# Altium PCB frames_right.PcbDoc (continued)
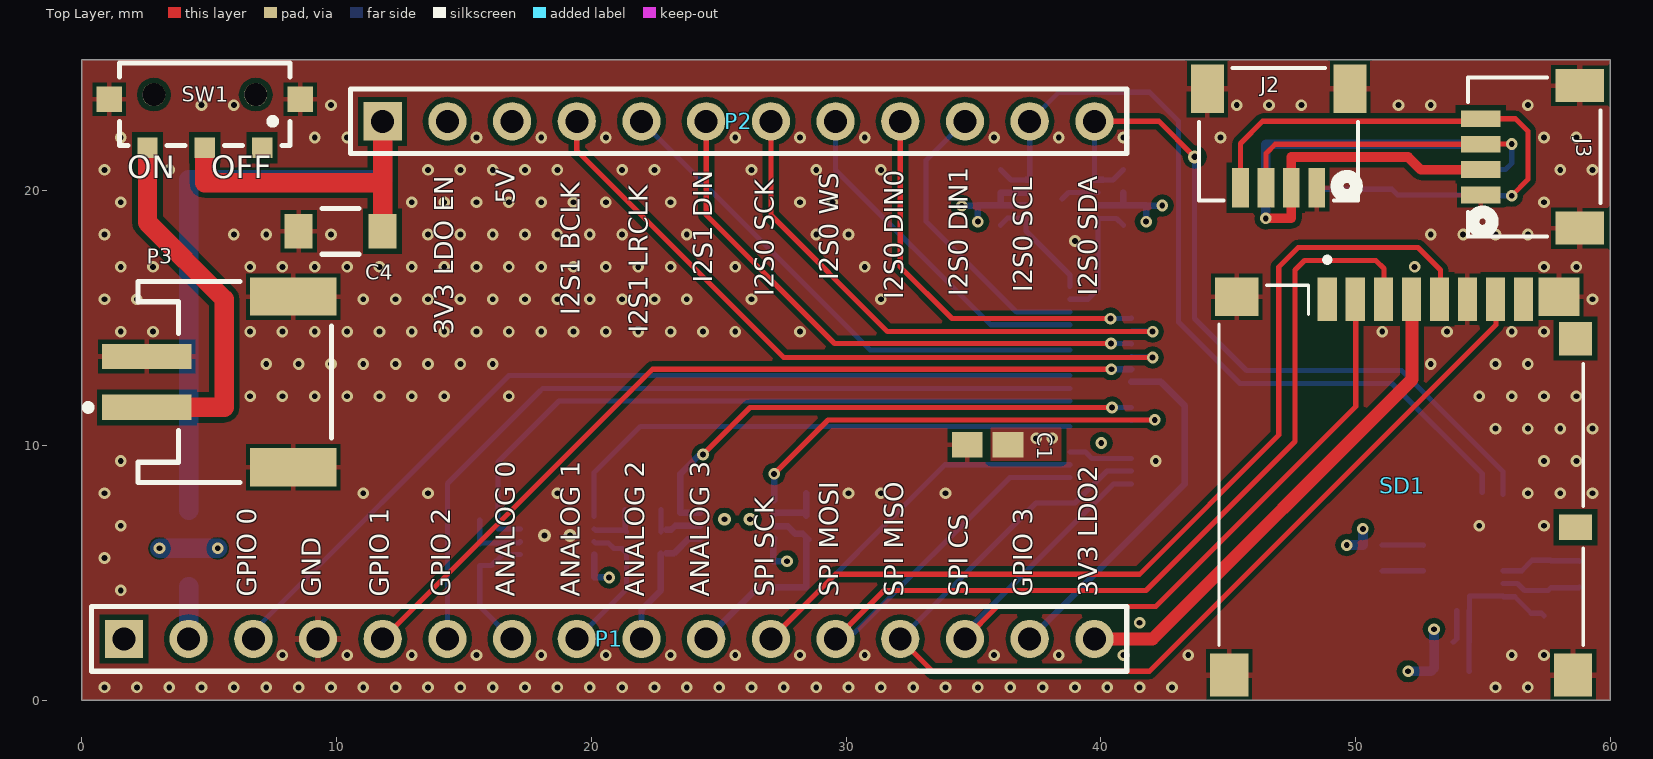
[diagram p0: Top Layer view]
## Part data
C1: library part CMP-2006-02792-2, "Chip Multilayer Ceramic Capacitors for General Purpose, 0603, 10uF, X5R, 15%, 20%, 6.3V", Capacitance=10uF, Case Code (Imperial)=0603, Case Code (Metric)=1608, Dielectric=X5R, Max Operating Temperature=85°C, Min Operating Temperature=-55°C, Package Quantity=4000, Tolerance=20%, Voltage=6.3V, Case/Package=0603, Depth=0.8mm, Height=0.8mm, Lead Free="Lead Free", Length=1.6mm, Material=Ceramic, Mount="Surface Mount", Packaging="Tape and Reel", Radiation Hardening=No, REACH SVHC="No SVHC", Termination=SMD/SMT, Thickness=0.035inch, Voltage Rating=6.3V, Voltage Rating (DC)=6.3V, Width=0.031inch
C2 C3: library part CMP-2008-02046-2, "CAP CER 0.1UF 10V X5R 0402", Capacitance="0.10 μF", Manufacturer=Kemet, Package=C0402-BB, Temperature="-55°C to +125°C", Temperature Characteristic=X5R, Temperature Coefficient=15%, Temperature Range High=+125°C, Temperature Range Low=-55°C, Tolerance=0.1, Voltage Rating="10 V", Automotive=No, Category=Cap, ComponentLink2Description=Datasheet, ComponentLink2URL=https://content.kemet.com/datasheets/KEM_C1002_X7R_SMD.pdf, Device Class L1="Passive Components", Device Class L2=Capacitors, Device Class L3="Ceramic Capacitors", Digikey Description="CAP CER 0.1UF 10V X5R 0402", Height=0.55mm, Ipc Land Pattern Name=CAPC10050X50, Lead Free=Yes, Manufacturer Part Number=C0402C104K8PACTU, Material=Ceramic, Mouser Description="Capacitor 100 nF 10 VDC 0402", Octopart=https://octopart.com/c0402c104k8pactu-kemet-140039, RoHS=TRUE
C4: library part CMP-2000-05397-3, "Multilayer Ceramic Capacitors 47uF ±20% 25V X5R SMD 1206", Capacitance=47uF, Case Code (Imperial)=1206, Case Code (Metric)=3216, Dielectric=X5R, Dielectric Material=Ceramic, Max Operating Temperature=85°C, Min Operating Temperature=-55°C, Package Quantity=1, Tolerance=20%, Voltage=25V, Case/Package=1206, Depth=1.6mm, Height=1.6mm, Lead Free="Lead Free", Length=0.126inch, Mount="Surface Mount", Packaging="Tape and Reel", REACH SVHC="No SVHC", Resistor Type=Ceramic, RoHS Compliant=Yes, Series=C, Termination=SMD/SMT, Thickness=0.071inch, Voltage Rating=25V, Voltage Rating (DC)=25V, Weight=0.000571oz, Width=0.063inch
C5 C6 C7 C10 C11: library part CMP-2100-03641-2, "CAP CER 0.1UF 16V X7R 0402", Capacitance=100nF, Manufacturer=Murata, Package=GRM15, Temperature="-55°C to +125°C", Temperature Characteristic=X7R, Temperature Range High=+125°C, Temperature Range Low=-55°C, Tolerance=10%, Voltage Rating=16Vdc, Category=Cap, ComponentLink2Description=Datasheet, ComponentLink2URL=https://search.murata.co.jp/Ceramy/image/img/A01X/G101/ENG/GRM155R71H471KA01-01A.pdf, Device Class L1="Passive Components", Device Class L2=Capacitors, Device Class L3="Ceramic Capacitors", Digikey Description="CAP CER 0.1UF 16V X7R 0402", Height=0.55mm, Ipc Land Pattern Name=CAPC10050X219, Lead Free=yes, Manufacturer Part Number=GRM155R71C104KA88D, Material=Ceramic, Mouser Description="0402 0.1 uF 16V ±10 % Tolerance X7R SMT Multilayer Ceramic Capacitor", Octopart=https://octopart.com/grm155r71c104ka88d-murata-196880, RoHS=TRUE, Standoff Height=0mm
C8 C9: library part CMP-2008-02613-2, "General Purpose Ceramic Capacitor, 0402, 22pF, 5%, C0G, 30ppm/°C, 50V", Capacitance=22pF, Case Code (Imperial)=0402, Case Code (Metric)=1005, Dielectric=C0G, Max Operating Temperature=125°C, Min Operating Temperature=-55°C, Package Quantity=1, Temperature Coefficient=30ppm/°C, Tolerance=5%, Voltage=50V, Case/Package=0402, Construction=Flat, Contact Plating=Tin, Depth=0.5mm, Height=0.5mm, Lead Free="Lead Free", Length=1mm, Mount="Surface Mount", Number of Pins=2, Packaging="Tape and Reel", Radiation Hardening=No, REACH SVHC="No SVHC", RoHS Compliant=Yes, Series=-, Termination=SMD/SMT, Thickness=0.022inch, Voltage Rating=50V, Voltage Rating (DC)=50V, Width=0.02inch
J1: library part CMP-1241-00067-1, "0.25 mm Pitch Easy-On(TM) Type FPC Connector, 1.0 mm Mated Height, Right Angle, SMT, Bottom Contact, 33 Circuits, -20 to 85 degC, ELV and RoHS Compliant, Tape and Reel", Current (Max per Contact)=0.2A, Manufacturer=Molex, Voltage (Max)=50V, Circuits (Loaded)=33, ComponentLink1Description="Manufacturer URL", ComponentLink1URL=http://www.molex.com/molex/index.jsp, ComponentLink2Description=Datasheet, ComponentLink2URL=http://www.molex.com/webdocs/datasheets/pdf/en-us/5020783310_FFC_FPC_CONNECTORS.pdf, ComponentLink3Description="Package Specification", ComponentLink3URL=http://www.molex.com/pdm_docs/sd/5020783310_sd.pdf, Contact Position=Bottom, Durability (mating cycles max)=10, Entry Angle="90degrees Angle", Mated Height=1.00mm, Material - Metal="Copper Alloy", Material - Plating Mating=Gold, Material - Plating Termination=Gold, Mounting Technology="Surface Mount", Number of Rows=1, Orientation="Right Angle", PackageDescription="33-Lead FPC Connector, Pitch 0.25 mm", PackageReference=502078-3310, PackageVersion="Rev. B, 09/2011", Packing="Tape and Reel", PartNumber=502078-3310, PCB Locator=No, PCB Retention=Yes, Pitch - Mating Interface=0.25mm, Polarized to PCB=Yes, RoHS=TRUE, Stackable=No
J2 J3 J4 J5: "No Description Available", Mfr_Name=JST, RefDes=RefDes, Type=Type
P1: library part "Header 16", "Header, 16-Pin", LatestRevisionDate=17-Jul-2002, LatestRevisionNote="Re-released for DXP Platform.", Publisher="Altium Limited"
P2: library part "Header 12", "Header, 12-Pin", LatestRevisionDate=17-Jul-2002, LatestRevisionNote="Re-released for DXP Platform.", Publisher="Altium Limited"
P3: library part CMP-1755-00001-1, "Male Header, Pitch 2 mm, 1 x 2 Position, Height 5.5 mm, -25 to 85 degC, RoHS, Tape and Reel", Colour=Black, Current Rating="3 A", Max Operating Temperature=105degC, Min Operating Temperature=-65degC, Package Quantity=100, ComponentLink1Description="Manufacturer URL", ComponentLink1URL=http://www.jst.com/home2.html, ComponentLink2Description=Datasheet, ComponentLink2URL=http://www.jst-mfg.com/product/pdf/eng/ePH.pdf, Contact Finish=Lead, Contact Material=Bronze, Contact Plating=Tin, DatasheetVersion=Dec-12, Height="8.13 mm", Lead Pitch="0.1 inch", Length="101.19 mm", Mount="Through Hole", PackageDescription="Male Header, Pitch 2 mm, 1 x 2 Position, Height 5.5 mm", PackageReference=S2B-PH-SM4-TB(LF)(SN)-2, Packaging=Bulk, Pins=40, Radiation Hardening=No, RoHSCompliant=True, Width="2.34 mm"
R1 R2 R7: library part CMP-2100-03667-1, "Chip Resistor, 0 Ohm, +/- 5%, 0.1 W, -55 to 155 degC, 0603 (1608 Metric), RoHS, Tape and Reel", Case Code (Imperial)=0603, Case Code (Metric)=1608, Manufacturer=Yageo, Max Operating Temperature=155degC, Min Operating Temperature=-55degC, Package Description="2-Pin Surface Mount Device, Body 1.6 x 0.8 mm", Package Quantity=5000, Power Rating=100mW, Resistance=0R, Temperature Coefficient=200ppm/degreesC, Tolerance=5%, Voltage Rating=50V, Case/Package=0603, Composition=ThickFilm, Contact Plating=Tin, Datasheet URL=http://www.yageo.com/NewPortal/yageodocoutput?fileName=/pdf/R-Chip/PYu-RC_Group_51_RoHS_L_5.pdf, Datasheet Version="Rev. 5, 10/2016", Depth=0.8mm, Height=0.45mm, Lead Free=LeadFree, Length=1.6mm, Manufacturer URL=http://www.yageo.com/, Military Standard=Not, Number of Pins=2, Package Reference=0603, Packaging=TapeandReel, Radiation Hardening=No, REACH SVHC=NoSVHC, RoHSCompliant=true, Termination=SMD/SMT, Voltage Rating (DC)=50V, Width=0.8mm
R3 R4 R5 R6: library part CMP-2002-00678-1, Manufacturer=Panasonic, Part Number=ERJ-2RKF1401X
R8 R9: library part CMP-2002-07353-1, Manufacturer="Yageo / Phycomp", Part Number=RC0402FR-0710KL
R10 R11 R12 R13 R14 R15 R16 R17: library part CMP-2002-08060-1, Manufacturer="Yageo / Phycomp", Part Number=RC0402JR-130RL
SD1: "Micro SD Card Connector, 10 Positions, Connector and Ejector, Push In, Auto Eject Out, Surface Mount, 1.8 mm Height Above Board, 3u Gold", Package=None, Check_prices=https://www.snapeda.com/parts/MSD-7-A/Same+Sky/view-part/?ref=eda, MF="Same Sky", MP=MSD-7-A, SnapEDA_Link=https://www.snapeda.com/parts/MSD-7-A/Same+Sky/view-part/?ref=snap
SW1: library part CMP-10038-000025-1, "SWITCH SLIDE SPDT 1MA 5V", Actuator Color=Black, Case/Package=SMD/SMT, Contact Current Rating=1mA, Contact Resistance=70mR, Flammability Rating="UL94 V-2", Max Operating Temperature=85°C, Max Voltage Rating (DC)=5V, Min Operating Temperature=-20°C, Package Quantity=1, Actuator Length=1.5mm, Actuator Material=Nylon, Actuator Type=Standard, Contact Material="Copper Alloy", Contact Plating=Silver, Current Rating=1mA, Depth=4.82mm, Electrical Life=15000Cycles, Housing Material=Nylon, Length=7.8mm, Max Current Rating=1mA, Mount="Surface Mount", Orientation="Right Angle", Packaging="Tape and Reel", Radiation Hardening=No, REACH SVHC="No SVHC", RoHS Compliant=Yes, Series=JS, Switch Function=On-On, Switch Travel=1.5mm, Termination="Gull Wing", Throw Configuration=SPDT, Voltage Rating (DC)=5V
U1: library part CMP-197298-000001-1, "IMU ACCEL/GYRO/MAG I2C 32BIT", Manufacturer="Hillcrest Laboratories, Inc.", Max Supply Voltage=3.6V, Min Supply Voltage=1.7V, Temperature="-40°C to +85°C", Temperature Range High=+85°C, Temperature Range Low=-40°C, Accel Range=8g, Automotive=No, Category=IC, ComponentLink2Description=Datasheet, ComponentLink2URL=https://www.hillcrestlabs.com/download/5a747b8d566d073a5d000536, Device Class L1=Sensors, Device Class L2="Motion Sensors", Device Class L3="Inertial Measurement Units (IMUs)", Digikey Description="IMU ACCEL/GYRO/MAG I2C 32BIT", Height=1.18mm, Lead Free=Yes, Manufacturer Part Number=BNO085, Octopart=https://octopart.com/bno085-hillcrest+laboratories-92813482, Package=BNO085, RoHS=TRUE, Sensor Output=I2C,SPI,UART, Sensor Type=Accelerometer,Gyroscope,Magnetometer
U2: library part CMP-10125-000014-1, "IC REDRIVER I2C 1CH 1MHZ 8HWSON"
U3 U4: library part CMP-0187-00386-3, "None", Case/Package="DFN EP", Input Bias Current=1pA, Input Offset Voltage (Vos)=4.5mV, Max Operating Temperature=125°C, Max Supply Voltage=6V, Min Operating Temperature=-40°C, Min Supply Voltage=1.8V, Nominal Supply Current=100uA, Operating Supply Voltage=5.5V, Output Current=23mA, Package Quantity=3300, Power Supply Rejection Ratio (PSRR)=86dB, Voltage Gain=112dB, Amplifier Type="GENERAL PURPOSE", Common Mode Rejection Ratio=60dB, Gain Bandwidth Product=1MHz, Lead Free="Lead Free", Mount="Surface Mount", Number Of Channels=2, Number of Circuits=2, Number of Elements=2, Number of Pins=8, Operating Supply Current=100uA, Output Current per Channel=23mA, Packaging="Tape and Reel", Radiation Hardening=No, RoHS Compliant=Yes, Series=-, Slew Rate=0.6V/µs, Supply Current=100uA, Technology=CMOS, Unity Gain Bandwidth Product=1MHz
Y1: library part CMP-27762-015607-1, "Crystal 32.768kHz ±20ppm (Tol) 4pF 85kΩ 2-Pin SMD T/R", Case/Package=SMD/SMT, ESR (Equivalent Series Resistance)=85kR, Frequency=32.768kHz, Frequency Tolerance=20ppm, Load Capacitance=4pF, Max Operating Temperature=125°C, Min Operating Temperature=-40°C, Mount="Surface Mount", Packaging="Cut Tape", Series=ABS05W

## Via types
v1: diameter 0.457, hole 0.229, Top Layer to Bottom Layer, tented both sides, 255 vias
v2: diameter 0.5, hole 0.229, Top Layer to Bottom Layer, tented both sides, 4 vias
v3: diameter 0.508, hole 0.254, Top Layer to Bottom Layer, tented both sides, 1 vias

## Nets (pads, with @x,y where several pads share a name; then routed paths per layer and width w, separated by ;. In a path a pad name is that pad's centre, name@x,y a point inside that pad or via, vN(x,y) a via of type N, cw(c..) or ccw(c..) an arc to the next point about the centre after c; other vN are vias at no path point)
3V3: J2.2 J3.2 J4.2 J5.2 | length 22.4
  Top Layer w0.381: v1(46.482,18.923) 47.484,18.923 J2.2 47.484,21.336 52.07,21.336 52.578,20.828 54.916,20.828 J3.2
  Bottom Layer w0.381: v1(46.482,18.923) 46.484,18.925 J5.2 46.484,21.836 J4.2
3V3_LDO1: C2.2 C3.2 C10.2 C11.2 P1.2 R2.1 R3.1 R4.1 R5.1 R6.1 R7.1 R8.2 R9.1 U2.3 U2.6 U2.7 U3.8 U4.8 | length 17.2
  Bottom Layer w0.254: U3.8 20.12,5.718 20.12,4.84 C10.2 20.701,4.83 v1(20.701,4.826) ; U4.8 27.167,6.358 27.144,6.335 C11.2 27.686,5.457 v1(27.686,5.461) ; v1(34.544,19.412) C3.2 ; v1(35.179,18.796) C3.2 ; U2.6 37.067,19.437 R4.1@36.081,19.437 ; U2.7 37.067,19.937 36.07,19.937 36.068,19.935 R4.1 R4.1@36.081,19.437 ; U2.3 39.895,19.437 40.881,19.437 R3.1 ; R5.1@40.894,19.939 R3.1 ; v1(41.783,18.796) C2.2 ; v1(42.418,19.431) 42.418,19.412 C2.2 ; C3.2 35.198,19.431 36.075,19.431 R4.1@36.081,19.437 ; R3.1 40.913,19.431 41.764,19.431 C2.2
  Bottom Layer w0.381: v1(49.657,6.096) R9.1 50.298,6.731 v1(50.292,6.731) ; v1(52.07,1.143) R7.1 53.092,1.264 R8.2 53.086,2.286 v1(53.086,2.794)
  Bottom Layer w0.762: P1.2 R2.1
3V3_LDO2: P1.16 SD1.4 | length 20.2
  Top Layer w0.508: P1.16 42.037,2.413 52.216,12.592 SD1.4@52.216,16.148
3V3_LDO2_EN: P2.2
5V: P2.3
ANALOG_0: P1.7 R11.2 U3.1 | length 5.2
  Bottom Layer w0.203: P1.7 15.621,3.683 R11.2 16.085,5.29 16.522,5.727 U3.1
ANALOG_1: P1.8 R13.2 U3.7 | length 5.6
  Bottom Layer w0.203: P1.8 21.381,4.363 21.381,5.758 21.381,5.783 21.208,5.956 20.89,5.956 20.667,6.179 20.159,6.179 U3.7
ANALOG_2: P1.9 R15.2 U4.1 | length 5.2
  Bottom Layer w0.254: P1.9 21.971,3.556 22.733,4.318 R15.2 ; R15.2@22.934,5.767 23.244,5.767 23.812,6.335 24.255,6.335 U4.1
ANALOG_3: P1.10 R17.2 U4.7 | length 8.3
  Bottom Layer w0.254: P1.10 26.543,4.445 28.448,4.445 R17.2 ; U4.7 27.201,6.835 27.709,6.835 27.999,6.545 28.3,6.545 28.522,6.323 R17.2@28.522,6.31
ANALOG_IN_0: J1.14 U3.3 | length 26.9
  Bottom Layer w0.203: U3.3 16.34,6.727 16.34,9.355 18.735,11.75 J1.14
ANALOG_IN_1: J1.10 U3.5 | length 21.1
  Bottom Layer w0.203: U3.5 20.111,8.935 21.926,10.75 J1.10
ANALOG_IN_2: J1.13 U4.3 | length 21.1
  Top Layer w0.203: v1(24.384,9.652) 26.227,11.495 v1(40.446,11.495)
  Bottom Layer w0.203: v1(40.446,11.495) 40.448,11.498 41.2,11.498 J1.13
  Bottom Layer w0.254: U4.3 23.495,7.358 23.495,8.89 24.257,9.652 v1(24.384,9.652)
ANALOG_IN_3: J1.11 U4.5 | length 17.8
  Top Layer w0.203: v1(27.178,8.89) 29.299,11.011 v1@42.121,11.011
  Bottom Layer w0.203: J1.11 41.207,11.005 42.117,11.005 v1(42.122,11.01)
  Bottom Layer w0.254: U4.5 v1(27.178,8.89)
GND: C1.1 C2.1 C3.1 C4.1 C5.1 C6.2 C7.1 C8.1 C9.1 C10.1 C11.1 J1.5 J1.6 J1.9 J1.12 J1.15 J1.20 J1.24 J1.29 J1.31 J1.33 J1.MP1 J1.MP2 J2.1 J2.5 J2.6 J3.1 J3.5 J3.6 J4.1 J4.5 J4.6 J5.1 J5.5 J5.6 P1.4 P3.2 P3.MP1 P3.MP2 R10.2 R12.2 R14.2 R16.2 SD1.6 SD1.G1 SD1.G2 SD1.G3 SD1.G4 SW1.4 SW1.5 U1.2 U1.5 U1.6 U1.10 U1.17 U1.25 U2.2 U2.9 U3.4 U3.9 U4.4 | length 4
  Bottom Layer w0.203: U2.9 38.731,19.935 U2.2 ; J1.6 39.399,9.75 39.649,9.5 J1.5
  other v1: 0.889,0.508 2.159,0.508 3.429,0.508 4.699,0.508 5.969,0.508 7.239,0.508 8.509,0.508 9.779,0.508 11.049,0.508 12.319,0.508 13.589,0.508 14.859,0.508 16.129,0.508 17.399,0.508 18.669,0.508 19.939,0.508 21.209,0.508 22.479,0.508 23.749,0.508 25.019,0.508 26.289,0.508 27.559,0.508 28.829,0.508 30.099,0.508 31.369,0.508 32.639,0.508 33.909,0.508 35.179,0.508 36.449,0.508 37.719,0.508 38.989,0.508 40.259,0.508 41.529,0.508 42.799,0.508 55.499,0.508 56.769,0.508 7.874,1.778 10.414,1.778 12.954,1.778 15.494,1.778 18.034,1.778 20.574,1.778 23.114,1.778 25.654,1.778 28.194,1.778 30.734,1.778 35.814,1.778 38.354,1.778 40.894,1.778 43.434,1.778 56.134,1.778 57.404,1.778 41.529,3.048 1.524,4.318 0.889,5.588 1.524,6.858 54.864,6.858 57.404,6.858 0.889,8.128 11.049,8.128 13.589,8.128 18.669,8.128 30.099,8.128 31.369,8.128 33.909,8.128 56.769,8.128 58.039,8.128 59.309,8.128 1.524,9.398 42.164,9.398 57.404,9.398 58.674,9.398 55.499,10.668 56.769,10.668 58.039,10.668 59.309,10.668 6.604,11.938 7.874,11.938 9.144,11.938 10.414,11.938 11.684,11.938 12.954,11.938 14.224,11.938 16.764,11.938 54.864,11.938 56.134,11.938 57.404,11.938 58.674,11.938 7.239,13.208 8.509,13.208 9.779,13.208 11.049,13.208 12.319,13.208 13.589,13.208 14.859,13.208 16.129,13.208 52.959,13.208 55.499,13.208 56.769,13.208 1.524,14.478 2.794,14.478 6.604,14.478 7.874,14.478 9.144,14.478 10.414,14.478 11.684,14.478 12.954,14.478 14.224,14.478 15.494,14.478 16.764,14.478 18.034,14.478 19.304,14.478 20.574,14.478 21.844,14.478 23.114,14.478 24.384,14.478 25.654,14.478 28.194,14.478 51.054,14.478 53.594,14.478 56.134,14.478 57.404,14.478 0.889,15.748 2.159,15.748 11.049,15.748 12.319,15.748 13.589,15.748 14.859,15.748 16.129,15.748 17.399,15.748 18.669,15.748 19.939,15.748 21.209,15.748 22.479,15.748 23.749,15.748 26.289,15.748 31.369,15.748 59.309,15.748 1.524,17.018 2.794,17.018 6.604,17.018 7.874,17.018 9.144,17.018 10.414,17.018 11.684,17.018 12.954,17.018 14.224,17.018 15.494,17.018 16.764,17.018 18.034,17.018 19.304,17.018 20.574,17.018 21.844,17.018 23.114,17.018 25.654,17.018 30.734,17.018 52.324,17.018 57.404,17.018 58.674,17.018 38.989,18.034 0.889,18.288 5.969,18.288 7.239,18.288 9.779,18.288 13.589,18.288 14.859,18.288 16.129,18.288 17.399,18.288 18.669,18.288 19.939,18.288 21.209,18.288 23.749,18.288 28.829,18.288 30.099,18.288 52.959,18.288 54.229,18.288 55.499,18.288 56.769,18.288 1.524,19.558 12.954,19.558 14.224,19.558 15.494,19.558 16.764,19.558 18.034,19.558 19.304,19.558 20.574,19.558 23.114,19.558 28.194,19.558 29.464,19.558 57.404,19.558 0.889,20.828 3.429,20.828 13.589,20.828 14.859,20.828 16.129,20.828 17.399,20.828 18.669,20.828 21.209,20.828 22.479,20.828 26.289,20.828 28.829,20.828 31.369,20.828 58.039,20.828 59.309,20.828 1.524,22.098 9.144,22.098 10.414,22.098 15.494,22.098 18.034,22.098 20.574,22.098 25.654,22.098 28.194,22.098 30.734,22.098 35.814,22.098 38.354,22.098 40.894,22.098 44.704,22.098 57.404,22.098 58.674,22.098 4.699,23.368 5.969,23.368 9.779,23.368 45.339,23.368 46.609,23.368 47.879,23.368 51.689,23.368 52.959,23.368 56.769,23.368
  other v2: 18.161,6.477 19.161,6.477
GPIO0: J1.18 P1.3 | length 36.5
  Bottom Layer w0.203: P1.3@6.731,2.711 16.77,12.75 J1.18
  Bottom Layer w0.254: P1.3 P1.3@6.731,2.711
GPIO1: J1.19 P1.5 | length 33.8
  Top Layer w0.203: P1.5 22.401,13.003 v1(40.419,13.003)
  Bottom Layer w0.254: v1(40.419,13.003) v1(40.419,13.003) 41.201,13.001 J1.19
GPIO2: J1.16 P1.6 | length 32.1
  Bottom Layer w0.203: P1.6 14.351,8.509 17.943,12.101 18.092,12.25 J1.16
GPIO3: J1.17 P1.15 | length 14.2
  Bottom Layer w0.254: P1.15 43.307,8.509 43.307,11.557 42.364,12.5 J1.17
I2C1_SCL: J2.4 J3.4 J4.4 J5.4 | length 24.2
  Top Layer w0.203: J2.4 45.484,21.862 46.355,22.733 54.822,22.733 J3.4 56.285,22.836 56.769,22.352 56.769,20.447 v1(56.134,19.812)
  Bottom Layer w0.203: J5.4 48.546,20.066 51.435,20.066 51.665,19.836 J4.4 54.949,19.812 v1(56.134,19.812)
I2C1_SDA: J2.3 J3.3 J4.3 J5.3 | length 22
  Top Layer w0.203: J2.3 46.484,21.465 46.855,21.836 J3.3 54.933,21.844 v1(56.134,21.844)
  Bottom Layer w0.203: J5.3 47.484,21.198 47.603,21.317 51.962,21.317 52.451,20.828 54.916,20.828 J4.3 55.888,20.836 56.134,21.082 v1(56.134,21.844)
I2C_SCL: P2.11 R6.2 U1.19 U2.8 | length 33.4
  Bottom Layer w0.203: R6.2 36.48,20.435 U2.8 ; U2.8@37.211,20.437 P2.11 38.354,23.876 41.91,23.876 43.053,22.733 43.053,14.859 45.466,12.446 51.435,12.446 54.979,8.902 U1.19
  Bottom Layer w0.254: U2.8 37.209,20.435 U2.8@37.211,20.437
I2C_SCL_OUT: J1.32 R4.2 U2.5 | length 4.5
  Bottom Layer w0.203: R4.2 36.353,18.935 U2.5 37.069,18.431 38.797,16.702 J1.32
I2C_SDA: P2.12 R5.2 U1.20 U2.1 | length 30
  Top Layer w0.203: P2.12 42.291,22.733 v3(43.688,21.336)
  Bottom Layer w0.203: U2.1@39.751,20.437 P2.12 ; U2.1@40.077,20.435 40.482,20.435 R5.2 ; v3(43.688,21.336) 43.688,14.986 45.72,12.954 51.816,12.954 55.791,8.979 U1.20
  Bottom Layer w0.254: U2.1@39.751,20.437 39.753,20.435 U2.1 U2.1@40.077,20.435
I2C_SDA_OUT: J1.30 R3.2 U2.4 | length 5.2
  Bottom Layer w0.203: J1.30 38.799,15.748 39.497,15.748 39.893,16.144 U2.4 39.905,18.923 40.621,18.923 R3.2
I2S0_MIC_DIN_0: J1.27 P2.9 | length 15.6
  Top Layer w0.203: P2.9 32.131,17.018 34.163,14.986 v1(40.386,14.986)
  Bottom Layer w0.203: v1(40.386,14.986) 40.393,14.993 41.195,14.993 J1.27
I2S0_MIC_DIN_1: J1.28 P2.10 | length 11.7
  Bottom Layer w0.203: P2.10 33.147,21.209 33.147,18.796 36.693,15.25 J1.28
I2S0_MIC_SCK: J1.25 P2.7 | length 21.4
  Top Layer w0.203: P2.7 27.051,19.05 31.623,14.478 v1(42.037,14.478)
  Bottom Layer w0.203: J1.25 41.213,14.489 42.026,14.489 v1(42.037,14.478)
I2S0_MIC_WS: J1.26 P2.8 | length 13.6
  Bottom Layer w0.203: P2.8 29.591,20.828 35.669,14.75 J1.26
I2S1_AMP_BCLK: J1.21 P2.4 | length 28
  Top Layer w0.203: P2.4 19.431,21.59 27.559,13.462 v1(42.037,13.462)
  Bottom Layer w0.203: J1.21 41.221,13.481 42.018,13.481 v1(42.037,13.462)
I2S1_AMP_DIN: J1.23 P2.6 | length 22.5
  Top Layer w0.203: P2.6 24.511,19.05 29.548,14.013 v1(40.403,14.013)
  Bottom Layer w0.203: v1(40.403,14.013) 40.409,14.006 41.196,14.006 J1.23
I2S1_AMP_LRCLK: J1.22 P2.5 | length 20.5
  Bottom Layer w0.203: P2.5 30.954,13.75 31.877,13.75 J1.22
NetC5_2: C5.2 C6.1 R7.2 U1.3 U1.28 | length 6.2
  Bottom Layer w0.203: R7.2 54.464,1.15 C5.2 54.471,2.293 54.471,3.522 U1.3 54.479,4.092 U1.28 55.814,4.069 56.256,4.069 56.906,3.419 57.306,3.419 C6.1
NetC7_2: C7.2 U1.9 | length 1.6
  Bottom Layer w0.203: C7.2 51.06,5.086 52.661,5.086 U1.9
NetC8_2: C8.2 U1.26 Y1.1 | length 3.2
  Bottom Layer w0.203: U1.26 56.527,5.092 56.938,5.503 Y1.1 57.679,5.482 58.78,5.482 C8.2
NetC9_2: C9.2 U1.27 Y1.2 | length 3.2
  Bottom Layer w0.203: U1.27 56.368,4.592 56.642,4.318 57.573,4.318 Y1.2 57.679,4.424 58.78,4.424 C9.2
NetR8_1: R8.1 U1.4 | length 1.3
  Bottom Layer w0.203: R8.1 53.856,2.286 53.979,2.409 U1.4
NetR9_2: R9.2 U1.11 | length 1.6
  Bottom Layer w0.203: R9.2 51.05,6.094 52.664,6.094 U1.11
NetR10_1: R10.1 R11.1 U3.2 | length 2.6
  Bottom Layer w0.203: R10.1 R11.1 15.66,6.179 17.163,6.179 U3.2
NetR12_1: R12.1 R13.1 U3.6 | length 2.2
  Bottom Layer w0.203: U3.6 20.159,6.679 21.31,6.679 R13.1@21.336,6.653 ; R13.1 R13.1@21.336,6.653 ; R12.1 R13.1@21.336,6.653 ; R13.1@21.381,6.608 R13.1@21.336,6.653
NetR14_1: R14.1 R15.1 U4.2 | length 2.3
  Bottom Layer w0.203: R15.1 R14.1
  Bottom Layer w0.254: R15.1@22.934,6.694 23.129,6.694 23.293,6.858 U4.2
NetR16_1: R16.1 R17.1 U4.6 | length 2.1
  Bottom Layer w0.254: U4.6@27.201,7.335 U4.6 R17.1@28.321,7.358 ; R17.1 R16.1
RESET: P1.1
SPI_CS: J1.1 P1.14 SD1.2 | length 32.9
  Top Layer w0.203: P1.14 35.941,3.683 42.164,3.683 50.016,11.535 SD1.2@50.016,16.148
  Bottom Layer w0.203: P1.14 34.671,2.667 40.504,8.5 J1.1
SPI_MISO: J1.3 P1.13 SD1.7 | length 42.7
  Top Layer w0.203: P1.13 33.401,1.143 41.91,1.143 55.516,14.749 SD1.7@55.516,16.148
  Bottom Layer w0.203: P1.13 37.465,7.747 38.989,7.747 40.242,9 J1.3
SPI_MOSI: J1.2 P1.12 SD1.3 | length 44.4
  Top Layer w0.203: P1.12 31.496,4.318 41.783,4.318 47.625,10.16 47.625,16.891 48.006,17.272 50.8,17.272 51.116,16.956 SD1.3@51.116,16.148
  Bottom Layer w0.203: P1.12 29.839,2.661 30.347,2.661 36.436,8.75 J1.2
SPI_SCK: J1.4 P1.11 SD1.5 | length 52.6
  Top Layer w0.203: P1.11 29.591,4.953 41.529,4.953 46.99,10.414 46.99,17.018 47.752,17.78 52.451,17.78 53.34,16.891 53.34,16.172 SD1.5@53.316,16.148
  Bottom Layer w0.203: P1.11@27.051,2.764 P1.11 33.888,9.25 J1.4
VBAT: C4.2 P2.1 R1.1 SW1.2 | length 35.6
  Top Layer w0.762: SW1.2 4.826,20.32 11.811,20.32 ; C4.2 11.811,20.32 ; P2.1 11.811,20.32
  Bottom Layer w0.762: R1.1 4.191,20.447 11.811,20.447 P2.1
VBAT_IN: P3.1 SW1.3 | length 14.5
  Top Layer w0.762: P3.1 5.588,11.5 5.588,15.748 2.576,18.76 SW1.3
VDD_OUT: C1.2 J1.7 J1.8 R1.2 R2.2 | length 2.3
  Bottom Layer w0.762: v1(3.048,5.969) R1.2 v1(5.334,5.969)
  other v1: 40.024,10.106 37.465,10.287 38.1,10.287
pads on no net: SD1.1 SD1.8 SD1.SW_A1 SD1.SW_A2 SW1. SW1.1 U1.1 U1.7 U1.8 U1.12 U1.13 U1.14 U1.15 U1.16 U1.18 U1.21 U1.22 U1.23 U1.24 U4.
copper on no net:
  other v2: 25.228,7.108 26.228,7.108

## Polygon pours and split planes (outlines as drawn)
VDD_OUT on Top Layer "VDD_OUT_L01_P000" (solid, pour order 0): 38.447,10.7 38.447,9.398 35.687,9.398 35.687,10.7
GND on Top Layer "Top Layer-GND" (solid, remove dead copper, pour order 11): 0,0 60,0 60,25.146 0,25.146
VDD_OUT on Bottom Layer "VDD_OUT_L04_P003" (solid, pour order 3): 37.084,10.414 37.084,10.092 39.565,10.092 39.828,9.829 41.656,9.829 41.656,10.16 40.386,10.16 40.132,10.414
GND on Bottom Layer "Bottom Layer-GND" (solid, remove dead copper, pour order 4): 0,0 60,0 60,25.146 0,25.146
GND on L3 "L3-GND" (solid, remove dead copper, pour order 2): 0,0 60,0 60,25.146 0,25.146
3V3_LDO1 on L2 "3V3_LDO1_L02_P012" (solid, pour order 12): 5.334,1.524 2.921,1.524 2.921,4.953 6.858,4.953 6.858,6.731 43.18,6.731 43.18,16.637 33.782,16.637 33.782,20.447 43.561,20.447 54.356,9.652 54.356,0.254 45.212,0.254 45.212,3.556 5.334,3.556
VDD_OUT on L2 "VDD_OUT_L02_P008" (solid, pour order 8): 2.54,5.461 2.54,11.063 40.532,11.063 40.532,9.779 6.223,9.779 6.223,5.461
GND on L2 "GND_L02_P013" (solid, remove dead copper, pour order 13): 0,0 0,25.146 60,25.146 60,0

## Silkscreen, mask and mechanical layers (free items; w line width, h text height)
Top Overlay:
  text "ON" at 1.778,20.211 h1.52
  text "OFF" at 5.08,20.211 h1.52
  text "5V" at 17.257,19.503 h1.27 r90
  text "I2S0 WS" at 29.957,16.495 h1.27 r90
  text "I2S1 DIN" at 25.004,16.403 h1.27 r90
  text "I2S0 SCL" at 37.577,16.031 h1.27 r90
  text "I2S0 SCK" at 27.417,15.874 h1.27 r90
  text "I2S0 DIN1" at 35.037,15.867 h1.27 r90
  text "I2S0 SDA" at 40.117,15.877 h1.27 r90
  text "I2S0 DIN0" at 32.497,15.738 h1.27 r90
  text "I2S1 BCLK" at 19.797,15.118 h1.27 r90
  text "I2S1 LRCLK" at 22.464,14.425 h1.27 r90
  text "3V3 LDO EN" at 14.844,14.351 h1.27 r90
  text "GPIO 0" at 7.097,4.064 h1.27 r90
  text "GND" at 9.637,4.064 h1.27 r90
  text "GPIO 1" at 12.304,4.064 h1.27 r90
  text "GPIO 2" at 14.717,4.064 h1.27 r90
  text "ANALOG 0" at 17.257,4.064 h1.27 r90
  text "ANALOG 1" at 19.797,4.064 h1.27 r90
  text "ANALOG 2" at 22.337,4.064 h1.27 r90
  text "ANALOG 3" at 24.877,4.064 h1.27 r90
  text "SPI SCK" at 27.417,4.064 h1.27 r90
  text "SPI MOSI" at 29.957,4.064 h1.27 r90
  text "SPI MISO" at 32.497,4.064 h1.27 r90
  text "SPI CS" at 35.037,4.064 h1.27 r90
  text "GPIO 3" at 37.577,4.064 h1.27 r90
  text "3V3 LDO2" at 40.117,4.064 h1.27 r90
Bottom Overlay:
  text "SAMSUNG RESEARCH AMERICA" at 37.084,12.985 h2.54
  text "ACHING 0725" at 54.229,11.702 h1.52
  text "VBAT" at 9.017,6.223 h1.52
  text "3V3" at 7.874,4.336 h1.52
Top Solder:
  region: 44.831,23.048 44.831,24.958 43.544,24.958 43.544,23.048
  region: 50.436,23.046 50.436,24.956 49.149,24.956 49.149,23.046
  region: 57.844,17.89 59.754,17.89 59.754,19.177 57.844,19.177
  region: 57.846,23.495 59.756,23.495 59.756,24.782 57.846,24.782
Bottom Solder:
  region: 57.839,17.879 59.749,17.879 59.749,19.167 57.839,19.167
  region: 57.855,23.492 59.765,23.492 59.765,24.779 57.855,24.779
  region: 49.147,24.963 49.147,23.053 50.435,23.053 50.435,24.963
  region: 43.544,24.96 43.544,23.05 44.831,23.05 44.831,24.96
Mechanical 1:
  the board outline again, w0.025